# KiCad board TIME II PCB.kicad_pcb (continued)
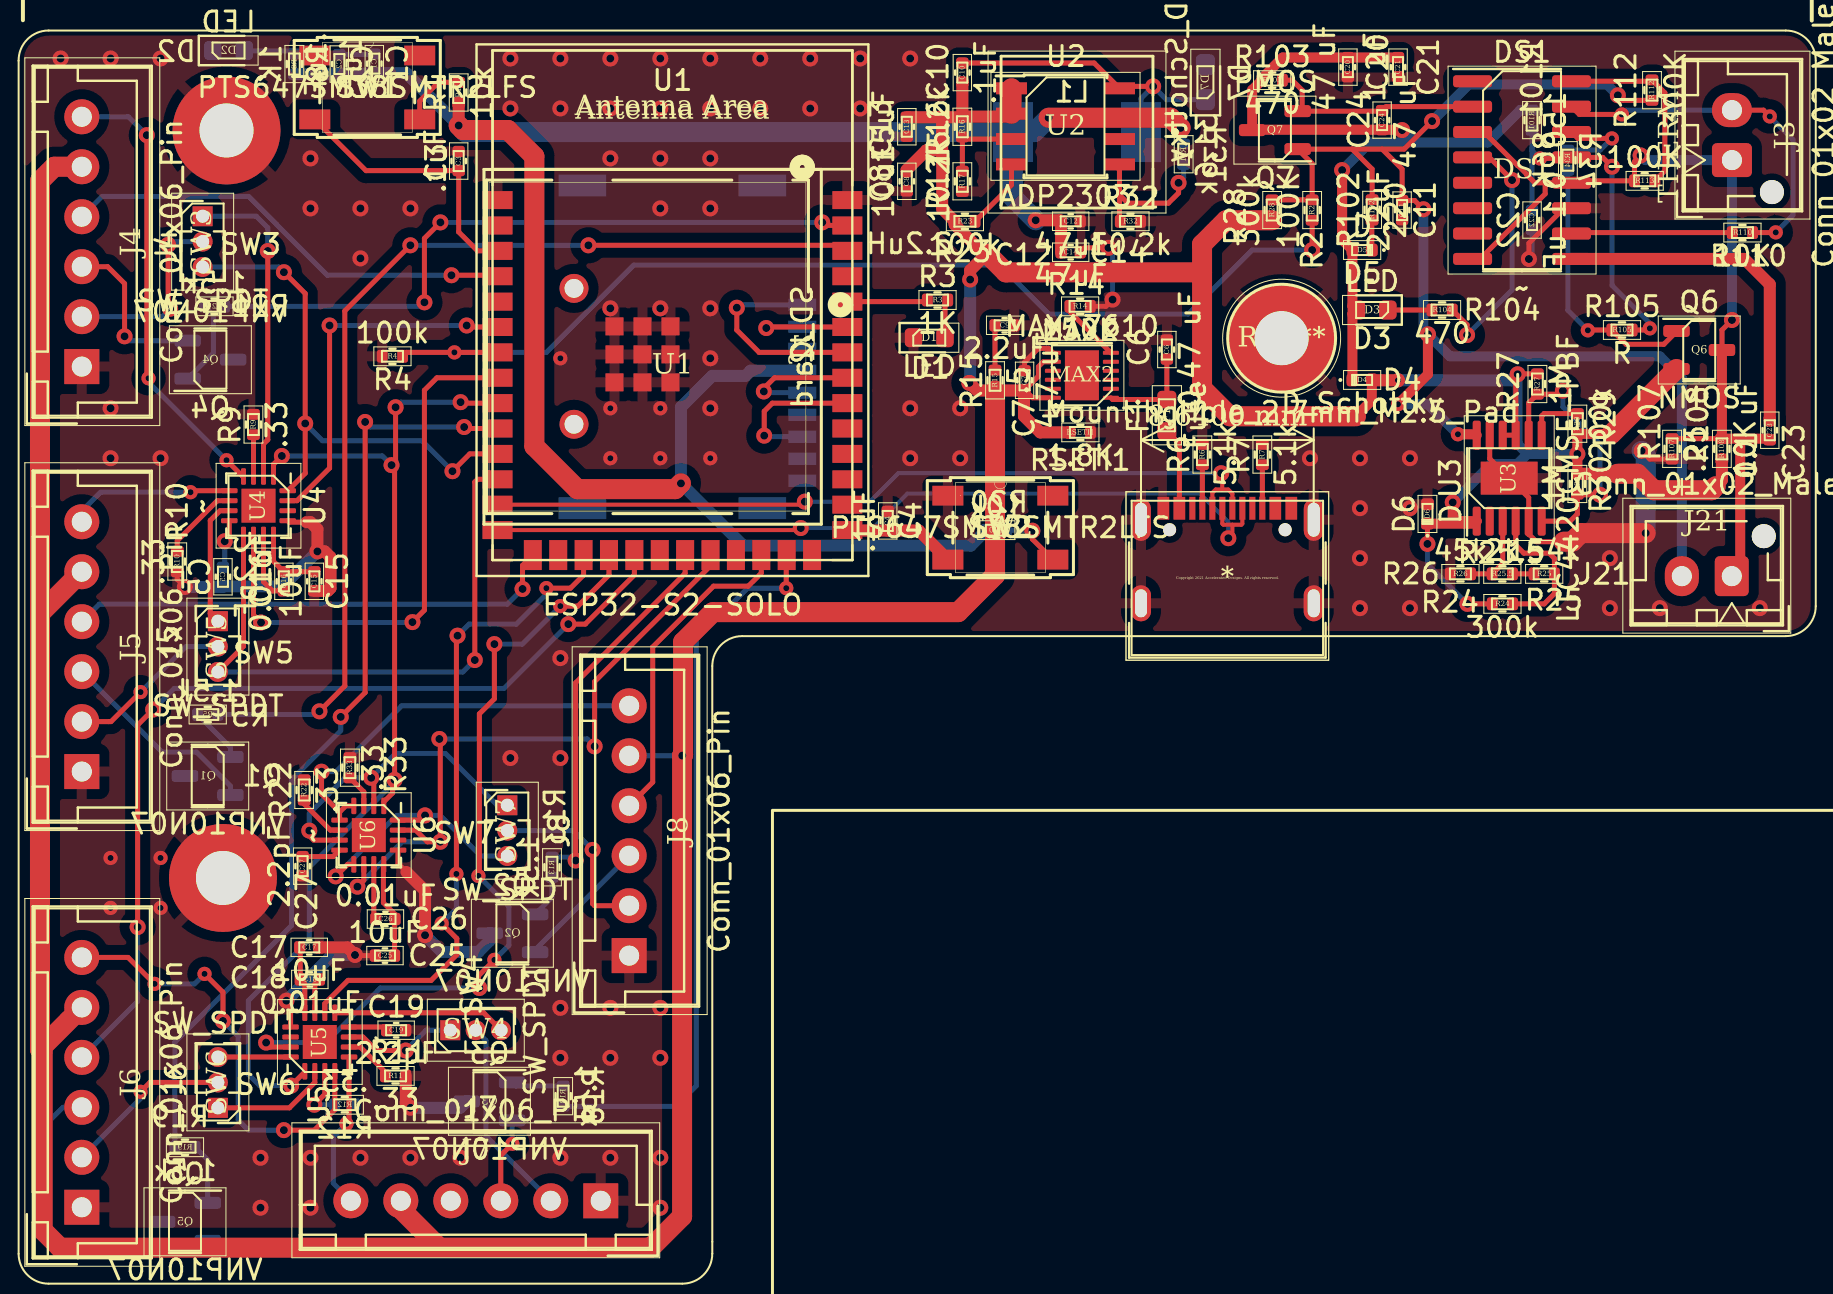
[diagram p0: board, top side]
## Nets
3v3: C1.1 C2.1 C12.1 C14.1 J2.4 L1.2 R1.1 R8.1 R20.1 R31.1
5v: C7.1 C8.1 C10.1 C13.1 D4.2 D6.1 J4.5 J5.5 J6.5 J7.5 J8.5 MAX2.8 MAX2.12 Q6.2 R15.1 R16.1 R23.1 R24.1 R27.2 R28.2 R29.1 R30.1 R108.1 RSETI1.1 U2.1 U2.2 U3.1 U3.9 U3.10
GND: C1.2 C2.2 C3.1 C4.1 C5.2 C6.2 C7.2 C8.2 C9.2 C11.2 C12.2 C13.2 C14.2 C15.2 C17.2 C19.2 C20.2 C21.2 C22.2 C25.2 C27.2 D1.1 D2.1 D6.2 D7.2 DS1.11 J1.A1 J1.S1 J2.3 J2.6 J2.12 J4.1 J5.1 J6.1 J7.1 J8.1 MAX2.7 NOREF.1 NOREF#2.1 Q1.3 Q2.3 Q3.3 Q4.3 Q5.3 R4.2 R6.2 R7.2 R9.2 R10.2 R11.2 R12.2 R14.2 R17.2 R22.2 R26.2 R32.2 R33.2 R107.1 REF**.1 RSETI1.2 SW1.1 SW2.1 U1.1 U1.40 U1.41 U3.5 U3.11 U3.13 U4.13 U5.13 U6.13
ACTUATOR_1: J4.2 SW3.2
ACTUATOR_2: J5.2 SW5.2
ACTUATOR_3: J6.2 SW6.2
ACTUATOR_4: J7.2 SW4.2
ACTUATOR_5: J8.2 SW7.2
BAT: C11.1 J21.2 Q7.1 R2.1 R28.1 R102.2 R112.1 U3.12
D+: J1.A6 J1.B6 U1.14
D-: J1.A7 J1.B7 U1.13
heater_1: R21.2 U1.39
heater_2: R5.2 U1.38
heater_3: R19.2 U1.10
heater_4: R18.2 U1.25
heater_5: R13.2 U1.21
LED: R3.1 U1.36
LOAD: C20.1 C21.1 C24.1 D3.2 D4.1 D5.2 Q7.3 R101.1 R103.1
MISO: J2.2 U1.35
MOSI: J2.7 U1.32
MOT_CON: U1.9 U4.1 U5.1 U6.1
MOT_MON_1: U4.14
MOT_MON_2: U5.14
MOT_MON_3: U6.14
MOTOR_1: SW3.1 U4.2
MOTOR_1A: J4.6 U4.4
MOTOR_2: SW5.1 U4.7
MOTOR_2A: J5.6 U4.5
MOTOR_3: SW6.1 U5.2
MOTOR_3A: J6.6 U5.4
MOTOR_4: SW4.1 U5.7
MOTOR_4A: J7.6 U5.5
MOTOR_5: SW7.1 U6.2 U6.7
MOTOR_5A: J8.6 U6.4 U6.5
SCK: J2.5 U1.33
SERVO_1: SW3.3 U1.11 U4.16
SERVO_1A: U1.6 U4.15
SERVO_2: SW5.3 U1.12 U4.9
SERVO_2A: U1.8 U4.10
SERVO_3: SW6.3 U5.16
SERVO_3A: U1.18 U5.15
SERVO_4: SW4.3 U5.9
SERVO_4A: U1.17 U5.10
SERVO_5: SW7.3 U6.9 U6.16
SERVO_5A: U1.22 U6.10 U6.15
SS: J2.1 U1.34
therm_1: J4.4 U1.4
therm_2: J5.4 U1.15
therm_3: J6.4 U1.19
therm_4: J7.4
therm_5: J8.4 U1.24
USB_P: C6.1 F1.2 MAX2.1
V_MON: R2.2 R4.1 U1.7
Net-(C9-Pad1): C9.1 R15.2
Net-(D1-A): D1.2 R3.2
Net-(D2-A): D2.2 R8.2
Net-(D3-K): D3.1 R104.1
Net-(D5-K): D5.1 R102.1
Net-(D7-K): C10.2 D7.1 L1.1 U2.8
Net-(DS1-CTG): C23.2 DS1.3 DS1.8 DS1.12 J3.1 J21.1 Q6.3 R107.2 R108.2 R113.2
Net-(DS1-Div): DS1.10 R110.1
Net-(DS1-LED1): DS1.4 R104.2
Net-(DS1-Mode): C23.1 DS1.9
Net-(DS1-Rt): DS1.14 R34.2
Net-(DS1-THM): DS1.15 J3.2 R110.2
Net-(DS1-Vbatt): DS1.16 R112.2 R113.1
Net-(DS1-Vch): C24.2 DS1.2 Q7.2 R103.2
Net-(DS1-Vdd): C22.1 DS1.13 R101.2 R105.2
Net-(F1-Pad1): F1.1 J1.A4
Net-(J1-CC1): J1.A5 R6.1
Net-(J1-CC2): J1.B5 R7.1
Net-(J4-Pin_3): J4.3 Q4.2
Net-(J5-Pin_3): J5.3 Q1.2
Net-(J6-Pin_3): J6.3 Q5.2
Net-(J7-Pin_3): J7.3 Q3.2
Net-(J8-Pin_3): J8.3 Q2.2
Net-(MAX2-CLMODE): MAX2.6 R14.1
Net-(Q1-G): Q1.1 R5.1
Net-(Q2-G): Q2.1 R13.1
Net-(Q3-G): Q3.1 R18.1
Net-(Q4-G): Q4.1 R21.1
Net-(Q5-G): Q5.1 R19.1
Net-(Q6-D): Q6.1 R34.1 R105.1
Net-(R1-Pad2): R1.2 SW1.4
Net-(R20-Pad2): R20.2 SW2.4
Net-(R25-Pad2): R25.2 R25.5.1
Net-(U1-EN): C3.2 SW1.3 U1.3
Net-(U1-GPIO0): C4.2 SW2.3 U1.27
Net-(U2-EN): R16.2 R17.1 U2.3
Net-(U2-FB): R31.2 R32.1 U2.5
Net-(U2-PGOOD): R23.2 U2.4
Net-(U3-ADJ): R24.2 R25.1 U3.4
Net-(U3-CMP1): R25.5.2 R26.1 U3.3
Net-(U3-CMPOUT1): R27.1 R30.2 U3.6 U3.8
Net-(U3-GNDSW): R29.2 U3.7
Net-(U4-AISEN): R9.1 U4.3
Net-(U4-BISEN): R10.1 U4.6
Net-(U4-NFAULT): C5.1 U4.8
Net-(U4-VCP): C16.2 U4.11
Net-(U4-VM): C15.1 C16.1 U4.12
Net-(U5-AISEN): R12.1 U5.3
Net-(U5-BISEN): R11.1 U5.6
Net-(U5-NFAULT): C19.1 U5.8
Net-(U5-VCP): C18.2 U5.11
Net-(U5-VM): C17.1 C18.1 U5.12
Net-(U6-AISEN): R33.1 U6.3
Net-(U6-BISEN): R22.1 U6.6
Net-(U6-NFAULT): C27.1 U6.8
Net-(U6-VCP): C26.2 U6.11
Net-(U6-VM): C25.1 C26.1 U6.12

Pads without a net: DS1 1 5 6 7; J1 A8 B1-A12 B4-A9 B8; J2 8 9 14 15; MAX2 2 3 4 5 9 10 11 13; SW1 2; SW2 2; U1 2 5 16 20 23 26 28 29 30 31 37; U2 6; U3 2; U4 17; U5 17; U6 17

## Via types
v1: diameter 0.8, hole 0.4, Top to Bottom, 176 vias
v2: diameter 0.711, hole 0.305, Top to Bottom, 37 vias

## Routing (per net, layer and track width the routed paths; a pad name or vN(x,y) marks a point on that pad's centre or on a via; arc(x,y) is an arc through that point)
3v3: length 110.6
  Top w0.6: 18.88,54.83 v1(18.85,54.85) R1.1 ; v1(47.72,50.11) 48.94,50.11 C12.1 C14.1
  Top w1: v1(18.85,54.85) 19.08,54.63 21.32,54.63 22.64,53.3 22.64,38.8 24.79,36.66 29.68,36.66 v1(29.97,36.95) ; v1(54.97,54.73) 54.46,55.24 v1(48.37,55.24)
  Bottom w0.25: v1(54.97,54.73) 55.12,54.58 R31.1
  Bottom w0.6: R8.1 12.85,57.42 C2.1 14.61,57.45 14.63,57.47 16.24,57.47 v1(18.85,54.85) ; J2.4 33.46,42.58 33.2,42.33 31.54,42.33 29.97,40.76 v1(29.97,36.95) 33.09,33.83 44.47,33.83 R20.1
  Bottom w1: v1(18.85,54.85) 19.18,54.52 L1.2 ; L1.2 47.65,54.52 v1(48.37,55.24) ; L1.2 46.58,51.24 v1(47.72,50.11)
5v: length 280.4
  Top w0.25: R27.2 71.85,42.43 v1(71.83,42.4) 71.73,42.31 U3.9 U3.10 ; 47.17,41.62 47.85,42.31 47.85,42.78 48.1,43.03 MAX2.8 ; v1(69.31,30.92) R24.1 ; D6.1 v1(67.31,33.92) ; C7.1 47.56,41.23 MAX2.12 ; J6.5 -1.66,9.07 -1.66,8.3 ; -1.66,30.87 J5.5
  Top w0.5: v1(68.58,35.99) 68.58,35.29 68.81,35.06 U3.1 69.65,34.93 D6.1 ; D4.2 64.53,41.1 63.74,40.3 ; R30.1 v1(74.81,38.42) R29.1 76.52,39.42 ; 71.73,42.3 v1(71.83,42.4)
  Top w0.6: 47.13,41.59 47.13,40.31 47.95,39.5 RSETI1.1 ; 47.13,41.59 R15.1 44.78,41.59 v1(44.4,41.97) ; 47.13,41.59 C7.1 ; 43.04,53.61 43.04,55.17 42.94,55.27 ; 43.04,53.61 43.04,53.6 42.24,53.6 41.27,52.63 C8.1 ; 43.04,53.61 43.04,50.69 R23.1 43.67,49.89 45.11,48.45 45.28,48.45 44.44,47.6 v1(44.44,47.14) ; R16.1 46.36,55.3 U2.2 ; R16.1 44.02,55.27 42.94,55.27 ; R16.1 C10.1 ; v2(65.84,42.1) 64.55,42.1 D4.2 ; C13.1 42.94,55.27 ; R108.1 82.04,37.11 81.74,36.8 ; R30.1 76.82,37.43
  Top w1: 56.04,47.5 56.04,41.7 57.44,40.3 63.74,40.3 ; 56.04,47.5 46.22,47.5 45.28,48.45 ; 56.04,47.5 56.04,48.9 57.25,50.11 R28.2 ; 17.89,-1.3 15.96,0.64 J7.5 ; -2.09,8.64 J6.5 ; -2.09,8.64 -1.96,8.5 -1.96,-0.42 -1.08,-1.3 28.46,-1.3 30.03,0.27 30.03,23.32 v1(30.04,23.32) 30.08,23.37 30.08,29.01 31.57,30.5 43.84,30.5 45.68,32.35 R15.1 ; -2.09,8.64 -2.09,30.43 ; -2.09,30.43 -2.09,52.07 -1.38,52.79 J4.5 ; -2.09,30.43 J5.5 ; 81.74,36.8 81.54,36.6 78.64,36.6 77.82,37.43 76.82,37.43 ; U2.1 U2.2 ; Q6.2 76.52,39.42
  Bottom w0.25: J8.5 30.03,23.32 v1(30.04,23.32) ; v1(67.31,33.92) 67.31,32.92 v1(69.31,30.92)
  Bottom w0.5: 72.31,38.42 71.83,38.9 v1(71.83,42.4) ; 72.31,38.42 v1(74.81,38.42) ; 72.31,38.42 71.81,37.92 70.5,37.92 v1(68.58,35.99)
  Bottom w0.6: v1(71.83,42.4) 71.53,42.1 v2(65.84,42.1) ; v1(44.44,47.14) 44.44,42.01 v1(44.4,41.97)
GND: length 70.4
  Top w0.25: v1(51.36,48.73) 50.17,48.73 C14.2 ; 74.84,34.1 74.76,34.03 72.76,34.03 72.38,34.41 U3.5 ; MAX2.7 48.36,43.7 47.85,43.7 47.16,43.01 C7.2 ; v1(51.56,46.14) 51.23,45.8 R14.2 ; v1(5.16,31.76) 4.78,32.14 R10.2 ; U6.13 15.82,17.92 16.24,17.5 ; v1(72.39,48.17) 72.39,48.96 74.15,50.71 ; U3.5 72.38,36.23 U3.13 70.43,38.18 U3.11 ; U3.5 72.38,34.38 ; v1(78.03,38.57) 78.44,38.16 79.55,38.16 ; U5.13 10.44,10.86 v1(10.24,11.06) ; U4.13 10.38,35 11.24,35 ; v1(17.17,14.34) 17.17,14.62 ; C25.2 13.69,13.32 v1(13.67,13.35)
  Top w0.6: v1(17.17,14.34) 17.17,16.57 16.24,17.5 ; R11.2 16.21,5.94 v1(16.44,5.7) ; 11.24,35 11.44,35 11.79,34.66 v1(11.79,33.54) 12.15,33.54 12.44,33.25 12.44,31.7 12.3,31.57 C15.2 ; v1(13.67,13.35) 13.28,13.73 C17.2
  Top w1: v1(78.23,34.46) 74.99,34.46 74.56,34.03 74.14,34.03
  Bottom w0.25: v1(51.36,48.73) 51.56,48.53 v1(51.56,46.14) ; v1(72.39,48.17) 72.55,48.33 C22.2 ; C2.2 14.61,58.41
  Bottom w0.6: v1(17.17,14.34) 18.01,13.5 19.84,13.5 20.4,14.07 Q2.3 ; v1(16.44,5.7) 18.93,5.7 Q3.3 ; v1(11.79,33.54) 10.04,31.79 C5.2 7.03,31.76 v1(5.16,31.76) ; v1(10.24,11.06) 12.52,13.35 v1(13.67,13.35)
  Bottom w1: v1(78.03,38.57) 78.23,38.37 v1(78.23,34.46)
  vias: v1(-1.06,58.2) v1(1.44,58.2) v1(1.44,40.7) v1(1.44,38.2) v1(3.94,58.2) v1(3.94,38.2) v1(8.94,3.2) v1(8.94,0.7) v1(11.44,53.2) v1(11.44,50.7) v1(11.44,3.2) v1(11.44,0.7) v1(13.94,50.7) v1(13.94,48.2) v1(13.94,3.2) v1(16.44,50.7) v1(16.44,3.2) v1(18.94,3.2) v1(21.44,58.2) v1(21.44,55.7) v1(21.44,23.2) v1(23.94,58.2) v1(23.94,55.7) v1(23.94,28.2) v1(23.94,23.2) v1(23.94,10.7) v1(23.94,8.2) v1(23.94,3.2) v1(26.44,58.2) v1(26.44,55.7) v1(26.44,53.2) v1(26.44,45.7) v1(26.44,10.7) v1(26.44,8.2) v1(26.44,3.2) v1(28.94,58.2) v1(28.94,55.7) v1(28.94,53.2) v1(28.94,50.7) v1(28.94,45.7) v1(28.94,10.7) v1(28.94,8.2) v1(28.94,3.2) v1(28.94,0.7) v1(31.44,58.2) v1(31.44,55.7) v1(31.44,53.2) v1(31.44,50.7) v1(31.44,45.7) v1(31.44,43.2) v1(31.44,40.7) v1(33.94,58.2) v1(33.94,55.7) v1(36.44,58.2) v1(36.44,55.7) v1(38.94,58.2) v1(38.94,55.7) v1(41.44,58.2) v1(41.44,40.7) v1(41.44,38.2) v1(43.94,40.7) v1(43.94,38.2) v1(61.44,38.2) v1(63.94,38.2) v1(63.94,35.7) v1(63.94,33.2) v1(63.94,30.7) v1(66.44,38.2) v1(66.44,35.7) v1(66.44,30.7) v1(76.44,33.2) v1(76.44,30.7) v1(78.94,30.7) v1(83.94,30.7) v2(1.44,18.2) v2(1.44,15.7) v2(3.94,18.2) v2(3.94,15.7) v2(23.94,43.2) v2(26.44,40.7) v2(26.44,38.2) v2(28.94,40.7) v2(28.94,38.2) v2(31.44,38.2)
ACTUATOR_1: length 9.6
  Top w0.25: v1(4.42,45.68) 4.32,45.78 v1(4.32,48.88)
  Bottom w0.25: SW3.2 4.48,49.04 v1(4.32,48.88) ; J4.2 4.02,45.29 v1(4.42,45.68)
ACTUATOR_2: length 8.4
  Top w0.25: v2(2.94,26.5) 1.46,25.03 J5.2
  Bottom w0.25: v2(2.94,26.5) 5.22,28.78 SW5.2
ACTUATOR_3: length 8.6
  Top w0.25: SW6.2 3.41,6.97 v2(2.94,6.5)
  Bottom w0.25: J6.2 2.94,6.17 v2(2.94,6.5)
ACTUATOR_4: length 10.1
  Bottom w0.25: SW4.2 20.22,9.07 20.22,4.29 J7.2
ACTUATOR_5: length 9.2
  Top w0.25: J8.2 25.65,15.82 25.55,15.91 v1(25.55,18.61)
  Bottom w0.25: v1(25.55,18.61) 24.59,19.57 SW7.2
BAT: length 69.9
  Top w0.25: 63.55,53.67 65.05,53.67 ; 63.55,53.67 64.55,52.67 R102.2 ; 63.55,53.67 Q7.1 61.55,52.94 R2.1 R28.1 ; 65.05,53.67 66.15,53.67 v1(67.55,55.07) ; 65.05,53.67 66.05,52.67 C11.1 66.67,51.1 v1(67.11,50.66) ; 78.5,56.11 77.09,56.11 v1(76.84,56.36)
  Top w0.5: v2(68.84,39.4) 69.73,39.4 U3.12 ; v2(65.84,40.9) 67.34,42.4 v1(67.34,44.4)
  Bottom w0.5: v2(68.84,39.4) 67.34,40.9 v2(65.84,40.9) ; v1(67.55,55.07) 69.38,56.9 76.3,56.9 v1(76.84,56.36) ; J21.2 80.04,42.2 78.94,43.3 68.44,43.3 v1(67.34,44.4) 67.11,44.63 v1(67.11,50.66)
D+: length 42.1
  Top w0.2: 57.56,34.88 57.11,34.88 57.06,34.93 J1.A6 ; 57.56,34.88 57.56,34.41 v1(57.35,34.2) ; 57.56,34.88 58,34.88 58.06,34.93 J1.B6 ; v1(35.97,34.71) 35.87,34.61 U1.14
  Bottom w0.2: v1(57.35,34.2) 57.35,35.02 55.94,36.43 41.3,36.43 39.57,34.71 v1(35.97,34.71)
D-: length 40.3
  Top w0.2: v1(57,37.45) 57.05,37.4 57.05,36.64 ; 57.05,36.64 56.72,36.64 56.56,36.47 J1.B7 ; 57.05,36.64 57.34,36.64 57.56,36.43 J1.A7 ; U1.13 36.02,35.88 v1(36.17,36.03)
  Bottom w0.2: v1(57,37.45) 40.84,37.45 39.42,36.03 v1(36.17,36.03)
heater_1: length 34.8
  Top w0.25: v1(17.94,50) 17.14,49.2 v1(17.14,46) ; v1(37.04,50) 37.19,49.85 U1.39
  Bottom w0.25: v1(17.94,50) 17.94,50 37.04,50 v1(37.04,50) ; v1(17.14,46) 16.94,45.8 R21.2
heater_2: length 51.9
  Top w0.25: v1(16.44,48.86) 13.16,45.58 13.16,26.81 v1(11.89,25.54) ; 38.02,48.86 v1(25.34,48.86)
  Bottom w0.25: R5.2 11.73,25.38 v1(11.89,25.54) ; v1(16.44,48.86) v1(25.34,48.86)
heater_3: length 47
  Top w0.25: v1(14.17,40.02) 14.17,26.48 v1(12.95,25.26) ; v1(19.13,39.77) 19.2,39.69 U1.10
  Bottom w0.25: R19.2 4.65,8.98 10.49,14.82 10.49,22.11 12.95,24.58 v1(12.95,25.26) ; v1(14.17,40.02) 14.43,39.77 v1(19.13,39.77)
heater_4: length 36.6
  Top w0.25: v2(35.24,31.7) 35.24,33.34
  Bottom w0.25: R18.2 29.71,5.78 30.74,6.8 30.74,29.14 33.3,31.7 v2(35.24,31.7)
heater_5: length 18.8
  Top w0.25: U1.21 30.18,32.45 24.7,26.97 v1(24.7,18.08)
  Bottom w0.25: v1(24.7,18.08) 24.53,18.25 R13.2
LED: length 3.9
  Top w0.25: U1.36 42.22,46.04
LOAD: length 40
  Top w0.5: 58.57,54.64 C24.1 66.03,54.64 v1(66.05,54.62) ; C21.1 C20.1 60.07,58.25 59.04,57.22 R103.1 58.55,56.63 Q7.3 ; D4.1 63.56,45.42 D3.2 63.56,45.82 D5.2 63.05,49.13 v1(63.05,52.62)
  Bottom w0.5: R101.1 71.97,55.63 70.34,54 66.66,54 ; 66.66,54 64.43,54 v1(63.05,52.62) ; 66.66,54 v1(66.05,54.62)
MISO: length 5.9
  Top w0.25: v1(34.24,44.72) 34.29,44.77 U1.35
  Bottom w0.25: v1(34.24,44.72) 34.3,44.78 J2.2
MOSI: length 7.5
  Top w0.25: v1(34.14,39.33) 34.14,40.55 34.55,40.96 U1.32
  Bottom w0.25: v1(34.14,39.33) 34.19,39.28 J2.7
MOT_CON: length 53.3
  Top w0.25: v1(10.01,38.32) 9.59,37.9 U4.1 ; 11.16,7.5 v1(10.47,6.81) ; U1.9 19,40.96 v1(18.95,41.01) ; v1(15.7,40.76) 15.7,38.06 v1(15.49,37.86) 15.65,37.71 v1(15.65,22.11) 15.54,22.01 15.54,21.45 15.11,21.01
  Bottom w0.25: v1(15.49,37.86) 15.04,38.32 v1(10.01,38.32) ; v1(15.7,40.76) 15.95,41.01 v1(18.95,41.01) ; v1(10.47,6.81) 8.9,6.81 8.33,7.38 8.33,11.06 11.38,14.11 11.38,17.74 15.65,22.01 v1(15.65,22.11)
MOTOR_1: length 16
  Top w0.25: v1(9.3,48.57) 9.3,39.13 9.09,38.91 U4.2
  Bottom w0.25: SW3.1 8.73,50.31 9.3,49.74 v1(9.3,48.57)
MOTOR_1A: length 22.8
  Top w0.25: U4.4 8.05,37.29 v2(7.24,38.1) ; 3.25,42.13 v1(3.25,54.37)
  Bottom w0.25: J4.6 2.33,55.29 v1(3.25,54.37) ; v2(7.24,38.1) 3.34,42 v2(3.34,42.2)
MOTOR_2: length 6.3
  Top w0.25: SW5.1 6.43,30.43 6.43,35.09 6.92,35.58 U4.7
MOTOR_2A: length 7.8
  Top w0.25: U4.5 5.51,36.58 v2(5.44,36.5)
  Bottom w0.25: v2(5.44,36.5) 0.94,36.5 0,35.56
MOTOR_3: length 5.9
  Top w0.25: U5.2 11.66,6.97 10.39,5.7 SW6.1
MOTOR_3A: length 22.3
  Top w0.25: J6.6 2.32,13.23 v2(3.64,11.9) ; U5.4 12.66,5.61 11.63,4.59 v1(10.11,4.59) ; v1(7.06,10.05) 7.06,11.48 v2(6.14,12.4)
  Bottom w0.25: v2(6.14,12.4) 5.64,11.9 v2(3.64,11.9) ; v1(10.11,4.59) 8.33,4.59 7.82,5.09 7.82,9.28 v1(7.06,10.05)
MOTOR_4: length 5.8
  Top w0.25: v1(16.21,8.57) 14.74,8.57 14.07,9.24 U5.7
  Bottom w0.25: SW4.1 17.22,9.59 v1(16.21,8.57)
MOTOR_4A: length 7.9
  Top w0.25: U5.5 13.37,5.03 v2(13.24,4.9)
  Bottom w0.25: v2(13.24,4.9) 12.58,4.25 12.58,1.93 J7.6
MOTOR_5: length 16.4
  Top w0.25: U6.7 11.6,19.1 11.38,19.32 v1(11.38,19.57) ; U6.2 14.61,22.08 v1(14.48,22.21)
  Bottom w0.25: SW7.1 20.78,20.84 18.19,23.43 15.7,23.43 v1(14.48,22.21) 13.16,22.21 11.38,20.44 v1(11.38,19.57)
MOTOR_5A: length 20.4
  Top w0.25: 12.9,20.5 U6.5 ; 12.9,20.5 13.21,20.81 U6.4 ; 12.9,20.5 11.99,21.4 v1(11.99,22.52)
  Bottom w0.25: v1(11.99,22.52) 12.7,22.52 16,25.82 J8.6
SCK: length 6.5
  Top w0.25: v1(34.12,41.54) 34.12,41.7 34.65,42.23 U1.33
  Bottom w0.25: v1(34.12,41.54) 34.18,41.48 J2.5
SERVO_1: length 26.9
  Top w0.25: U4.16 11.18,37.45 v1(11.18,39.94) 11.18,46.45 v1(10.11,47.51) ; U1.11 19.41,38.42 v1(18.54,37.56)
  Bottom w0.25: v1(11.18,39.94) 12.04,39.08 17.02,39.08 v1(18.54,37.56) ; SW3.3 9.85,47.77 v1(10.11,47.51)
SERVO_1A: length 18.3
  Top w0.25: U1.6 19.33,44.77 v1(19.25,44.84) ; v1(12.4,44.84) 12.4,37.71 10.76,36.08 U4.15
  Bottom w0.25: v1(12.4,44.84) v1(19.25,44.84)
SERVO_2: length 30.6
  Top w0.25: U4.9 8.09,28.79 6.81,27.51 ; v1(19.66,28.11) 19.66,37.01 19.8,37.15 U1.12
  Bottom w0.25: 6.81,27.51 19.06,27.51 v1(19.66,28.11)
SERVO_2A: length 27.9
  Top w0.25: U1.8 17.77,42.23 17.14,41.6 17.14,30.6 v1(16.54,30) ; U4.10 8.59,30.36 v1(8.97,29.99)
  Bottom w0.25: v1(16.54,30) 16.52,29.99 v1(8.97,29.99)
SERVO_3: length 3.6
  Top w0.25: SW6.3 10.44,8.24 U5.16
SERVO_3A: length 40.1
  Top w0.25: v2(20.64,13.1) 19.84,12.3 19.84,11.75 v1(19.89,11.7) ; v1(20.64,28.9) 20.64,26.16 19.89,25.41 19.89,17.35 v2(19.84,17.3) ; U1.18 26.37,32.36 24.82,30.8 v2(23.94,30.8) ; U5.15 9.44,8.74 v1(9.22,8.97)
  Bottom w0.25: v1(19.89,11.7) 14.94,11.7 12.2,8.97 v1(9.22,8.97) ; v1(20.64,28.9) 22.04,28.9 v2(23.94,30.8) ; v2(19.84,17.3) 21.37,15.78 21.37,13.83 v2(20.64,13.1)
SERVO_4: length 8.7
  Top w0.25: SW4.3 20.1,10.46 U5.9
SERVO_4A: length 33.4
  Top w0.25: v2(18.74,17.4) 18.74,29.27 v1(18.8,29.33) ; v2(18,14.93) 18.76,14.17 18.76,13.36 17.48,12.08 13.32,12.08 12.16,10.92 U5.10 ; v2(23.24,31.7) 24.45,31.7 25.1,32.36 U1.17
  Bottom w0.25: v2(18.74,17.4) 18.74,15.67 v2(18,14.93) ; v1(18.8,29.33) 19.37,29.9 21.74,29.9 23.24,31.4 v2(23.24,31.7)
SERVO_5: length 13.3
  Top w0.25: U6.9 13.3,17.88 v1(12.7,17.28) ; v1(17.17,20.33) 16.93,20.1 U6.16
  Bottom w0.25: v1(12.7,17.28) 15.75,20.33 v1(17.17,20.33) 17.93,20.33 19.96,18.3 SW7.3
SERVO_5A: length 33.2
  Top w0.25: 31.45,32.82 25.65,27.03 v1(25.65,23.79) ; v1(17.89,24.16) 17.93,24.11 v1(17.93,19.01) 17.28,19.01 16.7,19.6 U6.15 ; v1(13.79,16.77) 14.11,17.09 U6.10
  Bottom w0.25: v1(13.79,16.77) 16.03,19.01 v1(17.93,19.01) ; v1(25.65,23.79) 25.29,24.16 v1(17.89,24.16)
SS: length 10.4
  Top w0.25: v1(32.77,45.73) 32.77,44.62 33.88,43.5 U1.34
  Bottom w0.25: v1(32.77,45.73) 32.91,45.88 J2.1
therm_1: length 22.8
  Top w0.25: v1(18.49,47.36) 20.75,47.36
  Bottom w0.25: J4.4 1.02,51.3 8.34,51.3 9.73,49.92 9.73,49.91 12.28,47.36 v1(18.49,47.36)
therm_2: length 24.6
  Top w0.25: U1.15 22.05,32.85 v1(22.05,31.66)
  Bottom w0.25: v1(22.05,31.66) 21.29,30.9 0.87,30.9 J5.4
therm_3: length 46.7
  Top w0.25: v1(24.34,29.9) 25.19,29.9 27.64,32.36 U1.19 ; v1(2.79,14.75) 2.79,24.86 v1(3.57,25.63)
  Bottom w0.25: v1(2.79,14.75) 2.79,11.02 J6.4 ; v1(24.34,29.9) 21.12,26.69 4.62,26.69 v1(3.57,25.63)
therm_5: length 16.3
  Top w0.25: J8.4 28.56,21.99 28.56,28.76 31.6,31.8 33.34,31.8 33.99,32.46 U1.24
USB_P: length 4.9
  Top w0.25: MAX2.1 51.57,41.14 F1.2 C6.1
V_MON: length 53.4
  Top w0.25: R2.2 v1(61.55,48.62) ; R4.1 16.25,43.5 v2(18.64,43.5) U1.7
  Bottom w0.25: v2(18.64,43.5) 23.24,43.5 27.61,47.87 45.92,47.87 48.38,45.42 55.34,45.42 58.55,48.62 v1(61.55,48.62)
Net-(C9-Pad1): length 2.2
  Top w0.25: C9.1 R15.2
Net-(D1-A): length 1.7
  Top w0.25: D1.2 43.18,45.98
Net-(D2-A): length 2.3
  Bottom w0.25: 8.36,58.59 10.48,58.59 R8.2
Net-(D3-K): length 2.2
  Top w0.25: D3.1 R104.1
Net-(D5-K): length 1.5
  Top w0.25: D5.1 64.53,50.1
Net-(D7-K): length 15.4
  Top w0.25: v1(53.59,56.81) 52,56.81 ; U2.8 50.64,57.98 C10.2
  Bottom w0.25: D7.1 54.26,56.14 v1(53.59,56.81) 52.98,56.2 L1.1
Net-(DS1-CTG): length 45.3
  Top w0.25: 73.2,51.98 72.68,51.98 72.27,52.39 72.27,52.42 71.85,52.84 71.82,52.84 70.14,54.52 ; 73.2,51.98 DS1.12 ; 73.2,51.98 73.2,51.43 69.95,48.17 ; v1(77.98,53.35) 77.67,53.05 R113.2 74.62,52.08 ; v1(82.55,45.12) 82.05,44.62 Q6.3 ; R107.2 R108.2
  Top w0.5: 83.14,39.18 82.96,39 82.96,32.72 ; 83.14,39.18 R108.2 82.04,43.62 ; 83.14,39.18 84.38,39.18 C23.2
  Bottom w0.5: v1(77.98,53.35) 78.21,53.12 J3.1 v1(82.55,45.12)
Net-(DS1-Div): length 8
  Top w0.25: R110.1 74.57,49.49
Net-(DS1-LED1): length 11.8
  Top w0.25: v1(69.3,44.37) 69.3,44.88 R104.2 ; v1(71.55,52.12) 70.41,53.25
  Bottom w0.25: v1(69.3,44.37) 71.55,46.62 v1(71.55,52.12)
Net-(DS1-Mode): length 17.3
  Top w0.6: DS1.9 83.17,48.17 84.44,46.9 C23.1
Net-(DS1-Rt): length 4.6
  Top w0.25: DS1.14 74.84,54.2 v2(76.54,54.2)
  Bottom w0.25: v2(76.54,54.2) 75.96,53.62 R34.2
Net-(DS1-THM): length 18.1
  Top w0.25: 84.75,49.49 R110.2 ; v2(84.44,55.3) 84.12,55.62 J3.2 ; DS1.15 74.91,55.4 v2(77.04,55.4)
  Bottom w0.25: v2(84.74,49.5) 85.6,50.37 85.6,54.14 v2(84.44,55.3) ; v2(77.04,55.4) 77.26,55.62 J3.2
Net-(DS1-Vbatt): length 9.5
  Top w0.25: 78.48,57.06 DS1.16 ; R113.1 79.19,52.58 79.19,56.48 R112.2
Net-(DS1-Vch): length 11.1
  Top w0.25: DS1.2 65.24,55.79 C24.2 ; 65.02,55.57 Q7.2 61.05,55.79 61.05,56.62 60.55,57.12 R103.2
Net-(DS1-Vdd): length 18.2
  Top w0.25: DS1.13 76.08,53.25 v1(76.55,52.79) ; R105.2 78.36,44.62 v2(78.44,44.7) ; v2(72.94,53.2) 74.47,53.2
  Bottom w0.25: v2(78.44,44.7) 78.44,44.96 76.55,46.85 v1(76.55,52.79) ; 72.55,53.7 C22.1 ; 72.55,53.7 R101.2 ; 72.55,53.7 72.55,53.6 v2(72.94,53.2)
Net-(F1-Pad1): length 4.1
  Top w0.25: J1.A4 54.91,38.94 F1.1
Net-(J1-CC1): length 2.2
  Top w0.25: J1.A5 R6.1
Net-(J1-CC2): length 2.2
  Top w0.25: J1.B5 R7.1
Net-(J4-Pin_3): length 8.4
  Top w0.25: J4.3 1.29,47.79 2.14,46.94 v1(2.14,44.3)
  Bottom w0.25: v1(2.14,44.3) 2.36,44.08 Q4.2
Net-(J5-Pin_3): length 10.3
  Bottom w0.25: J5.3 4.02,23.5 5.74,23.5 7.44,21.81 Q1.2
Net-(J6-Pin_3): length 16.3
  Bottom w0.25: Q5.2 5.79,-1.46 -1.27,-1.46 -1.63,-1.1 -1.63,5.04 -0.94,5.73 J6.3
Net-(J7-Pin_3): length 4.3
  Top w0.25: v2(21.54,3.9) 20.96,3.32 J7.3
  Bottom w0.25: Q3.2 21.53,3.91 v2(21.54,3.9)
Net-(J8-Pin_3): length 6.7
  Bottom w0.25: 22.68,13.61 J8.3
Net-(MAX2-CLMODE): length 3.2
  Top w0.25: MAX2.6 49.43,45.53 R14.1
Net-(Q1-G): length 2.8
  Bottom w0.25: Q1.1 7.44,23.73 R5.1
Net-(Q2-G): length 2.2
  Bottom w0.25: R13.1 23.52,16.23 Q2.1
Net-(Q3-G): length 2.6
  Bottom w0.25: Q3.1 21.71,6.8 R18.1
Net-(Q4-G): length 4.3
  Bottom w0.25: R21.1 6.58,45.35 6.58,43.47 Q4.1
Net-(Q5-G): length 3
  Bottom w0.25: R19.1 6.3,3.1 Q5.1
Net-(Q6-D): length 13.4
  Top w0.25: 79.77,44.54 79.14,43.9 77.25,43.9 R105.1 75.36,44.62 v2(75.34,44.6)
  Bottom w0.25: v2(75.34,44.6) 74.34,45.6 R34.1
Net-(R1-Pad2): length 3.3
  Top w0.25: SW1.4 16.91,56.08 17.84,57.01 R1.2
Net-(R20-Pad2): length 3.2
  Top w0.25: v1(47.55,34.58) 47.55,34.16 SW2.4
  Bottom w0.25: R20.2 47.53,34.6 v1(47.55,34.58)
Net-(R25-Pad2): length 1.1
  Top w0.25: R25.5.1 R25.2
Net-(U1-EN): length 13.7
  Top w0.25: SW1.3 14.22,52.59 C3.2 18.85,49.52 19.8,48.58 U1.3
Net-(U1-GPIO0): length 5.6
  Top w0.6: 38.32,34.59 C4.2 41.87,34.59 SW2.3
Net-(U2-EN): length 4.1
  Top w0.25: R17.1 R16.2 ; 44.15,54.17 U2.3
Net-(U2-FB): length 8
  Top w0.25: 51.91,51.73 51.91,51.38 52.32,50.97 54.36,50.97 54.86,51.47 v1(54.86,51.98) ; 51.91,51.73 U2.5 ; 51.91,51.73 51.91,50.1
  Bottom w0.25: R31.2 55.12,52.24 v1(54.86,51.98)
Net-(U2-PGOOD): length 3.6
  Top w0.25: R23.2 46.51,51.88 U2.4
Net-(U3-ADJ): length 7.5
  Top w0.25: U3.4 71.73,33.86 72.14,33.45 73.41,33.45 73.67,33.19 R25.1 73.67,31.43 73.15,30.91 71.58,30.91
Net-(U3-CMP1): length 3.9
  Top w0.25: U3.3 71.08,32.95 R25.5.2 R26.1
Net-(U3-CMPOUT1): length 13.6
  Top w0.25: 74.81,36.41 74.81,35.42 74.45,35.06 U3.6 ; v1(75.95,36.38) 74.85,36.38 ; U3.8 72.38,40.97 72.81,41.41 73.92,41.41 v1(74.09,41.58)
  Bottom w0.25: v1(75.95,36.38) 75.95,38.91 74.09,40.77 v1(74.09,41.58)
Net-(U3-GNDSW): length 2.8
  Top w0.25: 74.81,40.44 73.15,40.44 73.03,40.32 U3.7
Net-(U4-AISEN): length 2.1
  Top w0.25: U4.3 8.59,39.38
Net-(U4-BISEN): length 4
  Top w0.25: R10.1 4.78,34.07 6.78,36.08 U4.6
Net-(U4-NFAULT): length 2.3
  Top w0.25: v1(7.15,34.05) 7.38,34.28 U4.8
  Bottom w0.25: v1(7.15,34.05) 7.15,32.84
Net-(U4-VCP): length 3.6
  Top w0.25: C16.2 9.55,31.57 9.09,32.02 U4.11
Net-(U4-VM): length 3.6
  Top w0.25: U4.12 9.59,33.05 C16.1 C15.1
Net-(U5-AISEN): length 2.9
  Top w0.25: v1(11.63,5.86) 12.16,6.38 U5.3
  Bottom w0.25: v1(11.63,5.86) R12.1
Net-(U5-BISEN): length 2.3
  Top w0.25: 15.19,7.49 13.93,8.74 U5.6
Net-(U5-NFAULT): length 1.9
  Top w0.25: U5.8 15.09,9.74 C19.1
Net-(U5-VCP): length 1.8
  Top w0.25: C18.2 11.66,11.89 U5.11
Net-(U5-VM): length 3.3
  Top w0.25: 10.93,13.7 C18.1 11.16,11.9 U5.12
Net-(U6-AISEN): length 1.7
  Top w0.25: U6.3 14.11,21.52 R33.1
Net-(U6-BISEN): length 2.5
  Top w0.25: U6.6 12.43,19.6 11.13,20.91 R22.1
Net-(U6-NFAULT): length 2
  Top w0.25: C27.1 12.57,18.27 U6.8
Net-(U6-VCP): length 2.6
  Top w0.25: U6.11 14.61,15.25
Net-(U6-VM): length 4.8
  Top w0.25: C25.1 15.65,15.13 ; U6.12 15.09,17.86 15.09,15.96 15.67,15.38 C26.1

## Copper pours and planes (outline as drawn; the poured copper is in the pictures)
GND on Top: -2.95,59.62 94.55,59.62 94.55,22.62 31.55,22.62 31.55,-38.38 -3.45,-38.38
GND on Bottom: -3.45,59.62 94.55,59.62 94.55,22.62 31.55,22.62 31.55,-38.38 -3.45,-38.38

## Text on the board
F.Silkscreen: + | - | THERM
